# Allegro board pc065b_toplevel_06a.brd (continued)
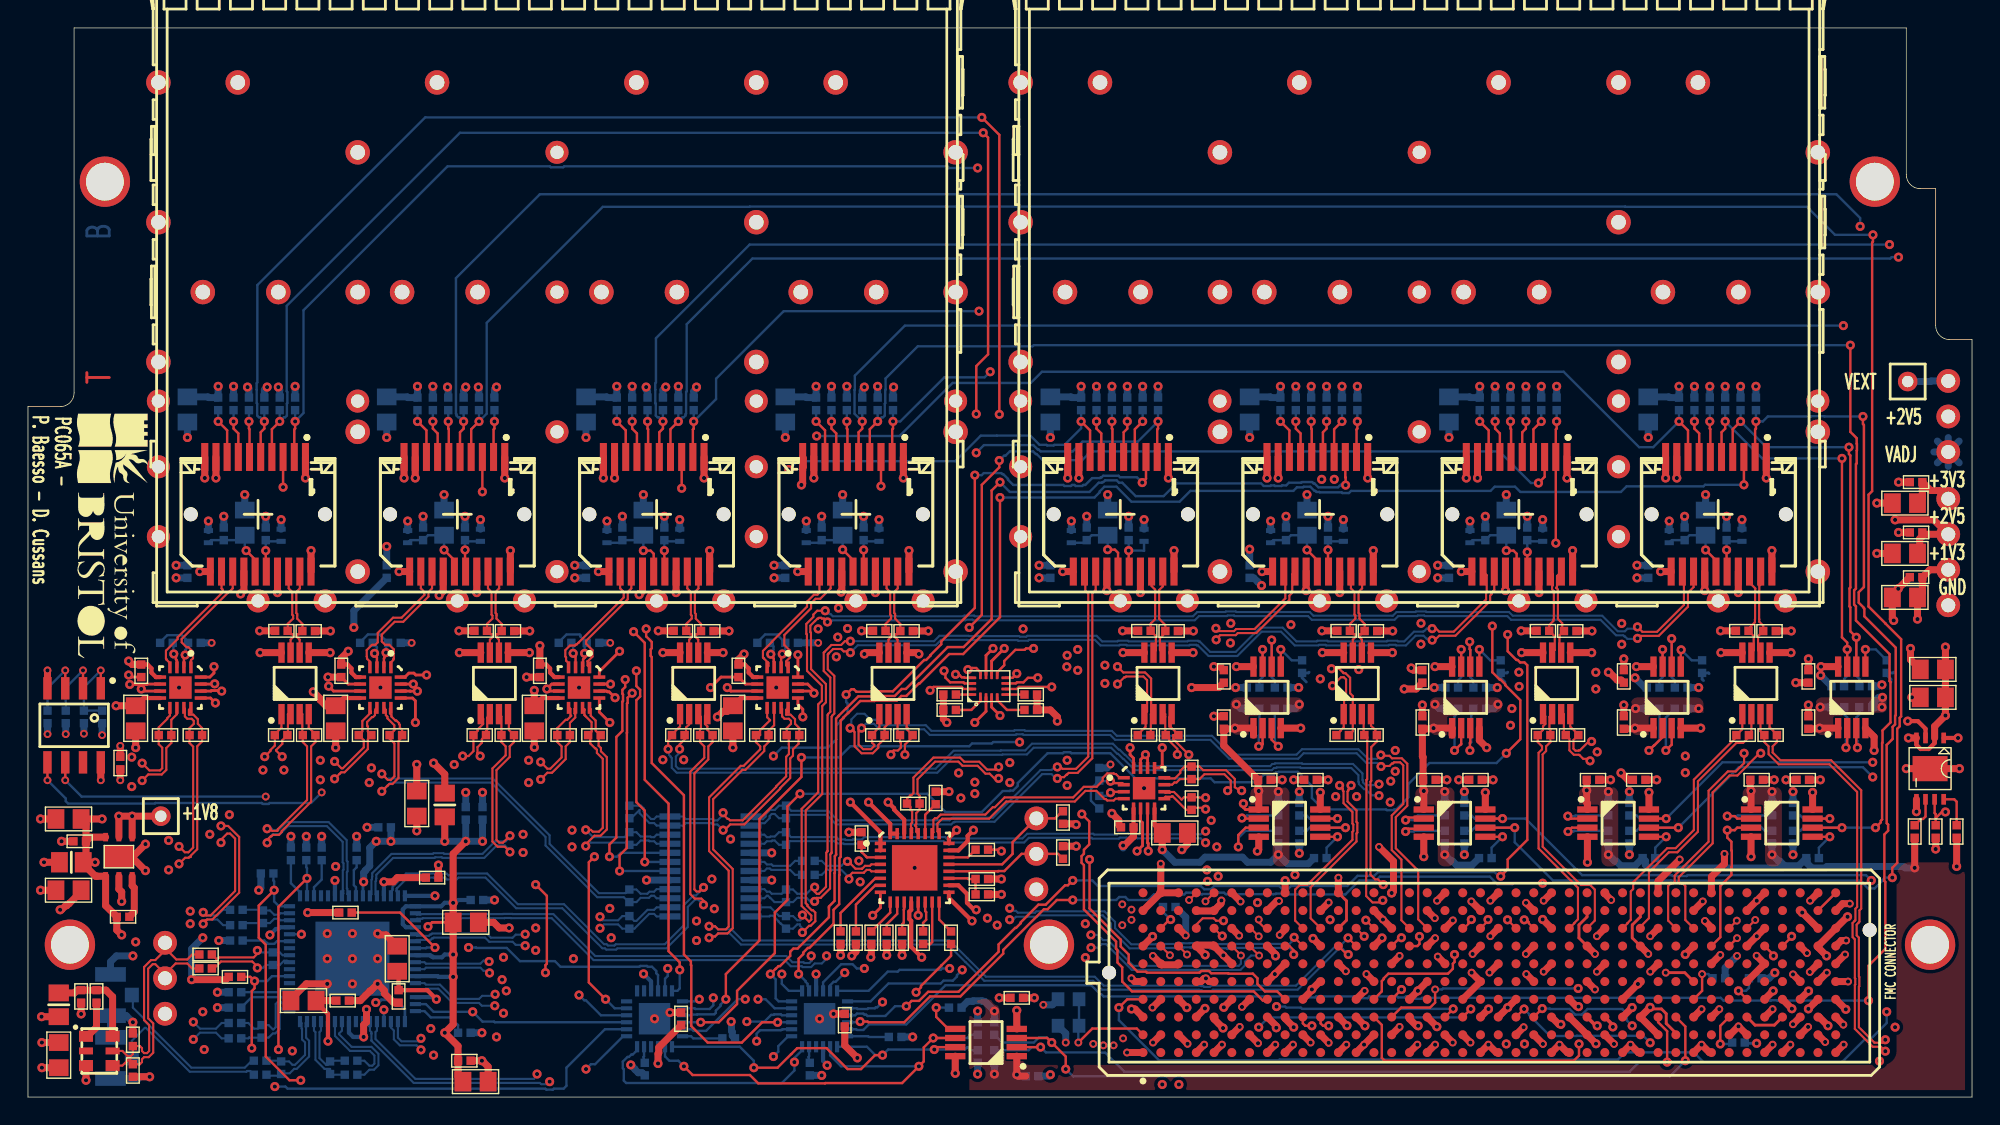
[diagram p0: board, top side]
## Routing (per net, layer and track width the routed paths; a pad name or vN(x,y) marks a point on that pad's centre or on a via; arc(x,y) is an arc through that point)
GND: length 2080.9
  TOP w0.2: v1(115.98,6.42) 116.09,6.31 116.8,6.31 117.14,5.97 117.14,5.27 117.83,4.58 117.83,4.46 ; J3.H12 94.28,12.66 94.28,14.04 J3.K12 ; v1(50,29.3) 50.25,29.05 IC7.7 ; v1(27.84,29.04) 27.34,29.04 27.33,29.05 IC5.14 ; IC4.6 8.52,29.55 8.49,29.52 v1(7.28,29.52) ; v1(8.1,29.2) 8.25,29.05 IC4.7 ; IC6.6 37.45,29.55 v1(37.1,29.2) 37.25,29.05 IC6.7 ; IC7.15 55.75,29.55 56.2,29.1 v1(56.2,28.9) 56.05,29.05 IC7.14 ; J3.J26 111.47,12.9 110.89,12.32 110.89,11.38 J3.G26 ; IC9.8 60.95,13.55 v1(60.4,13) ; v1(69.8,32.1) 68.9,31.2 IC21.10 ; J3.E32 118.46,8.9 v2(117.1,8.9) ; v1(7.2,30.2) 7.35,30.05 C102.1 ; v1(48.8,29.3) 49.55,30.05 C108.1 51.3,29.55 IC7.6 ; IC9.13 v1(63.65,13) ; IC4.14 13.09,29.05 13.13,29.09 13.57,29.09 13.61,29.05 v1(13.85,29.05) ; IC13.15 79.55,24.15 v1(79.9,24.5) 80.05,24.35 IC13.14 ; C104.1 22.9,29.55 IC5.6 ; IC4.15 13.33,29.55 ; J3.J29 115.28,12.9 114.7,12.32 114.7,11.38 J3.G29 ; IC5.7 21.85,29.05 v1(21.5,29.4) ; v1(80.1,17.6) 80.1,18.15 80.05,18.2 IC13.7 ; IC21.11 68.5,31.6 v1(69,32.1) ; v1(41.98,28.58) 41.55,29 41.42,29 41.37,29.05 IC6.14 ; IC13.6 79.55,19.77 79.69,19.63 79.69,17.99 v1(79.3,17.6) ; IC5.15 v1(27.55,29.55) ; 86.3,9.54 86.08,9.54 ; IC6.15 v1(41.65,29.55)
  TOP w0.3: U11.3 135.68,26.35 135.13,26.9 v1(134.4,26.9) ; v1(67.5,12.6) 65.85,14.25 IC9.17 ; IC9.30 62.65,19.85 61.93,20.57 61.93,20.67 v1(61.5,21.1) ; IC9.23 66.53,17.65 67.19,18.31 67.19,18.69 v1(67.6,19.1)
  TOP w0.5: v1(114.69,6.41) J3.C28 ; 110.2,7 110.7,6.5 110.83,6.5 v1(110.86,6.47) ; 93.69,3.19 v2(94.26,3.75) ; J36.20 v1(81.94,39.1) ; 103.78,26.4 103.78,25.52 v1(104.3,25) ; 7.5,17.2 v1(8.4,18.1) ; 7.5,17.2 7.5,17.1 v1(8.4,16.2) ; 7.5,17.2 U2.7 ; 84.81,5.73 84.81,5.58 v1(85.45,4.94) ; 88.61,8.27 v2(89.15,8.8) J3.F9 ; v2(96.6,17.9) 97.64,16.87 97.64,14.73 v1(97.5,14.6) ; 86.08,9.54 v2(85.47,10.14) 84.74,10.87 83.6,10.87 83.53,10.8 v1(84.17,10.17) ; 122.91,4.46 v2(122.3,5.06) 121.69,4.46 121.64,4.46 ; v2(130.26,13.84) 129.75,13.84 J3.J40 ; J3.H3 v2(82.78,11.56) ; J28.10 v1(102.84,44.3) ; J3.C38 v2(126.2,5.21) ; J3.G23 v2(107.1,10.24) ; 124.17,12.08 v2(123.61,11.51) J3.G35 ; C17.1 32.9,2.18 32.48,2.6 v1(32.45,2.6) C15.1 ; J3.C25 v1(112.11,3.82) ; 116.56,4.46 J3.C29 v1(115.98,6.42) ; C111.1 82.9,18.1 v1(82.5,17.7) ; J7.9 v1(13.44,44.3) ; 34.33,31.8 v1(35.85,31.8) ; 94.97,3.19 v2(95.53,3.75) J3.B14 ; J3.C33 v2(120.93,6.29) ; C96.1 v1(127.3,31.35) ; J20.17 v1(60.59,36.1) ; J36.10 v1(74.34,44.3) ; v2(130,11.2) 129.65,11.2 J3.G40 ; J3.B22 v2(106.94,5) ; J36.1 v1(81.54,44.3) ; J12.1 v1(34.09,44.3) ; C36.1 v1(133.72,36.38) ; 83.53,8.27 83.87,8.27 84.01,8.4 84.01,8.4 84.1,8.49 v2(84.23,8.49) 84.45,8.27 84.81,8.27 ; C84.1 v1(104.75,22.7) ; J16.9 v1(41.94,44.3) ; v1(21.4,8.1) 19.9,8.1 18.8,7 C19.1 ; 92.42,10.8 v1(91.88,11.35) ; IC14.4 v1(99.8,17.2) ; U6.5 63.6,31.8 v1(63.7,31.7) ; 124.17,14.62 v2(123.61,14.05) J3.J35 ; R85.1 v1(62.5,10.15) ; J3.C21 v1(105.8,6.4) 106.39,7 ; v2(121.3,17.4) 121.3,16.7 120.36,15.77 120.36,14.62 ; IC4.17 v1(10.8,29.3) ; v2(78.9,8.5) 79.14,8.27 79.72,8.27 ; v1(89.2,10.1) 89.2,10.22 88.61,10.8 ; v1(134.3,23.5) U11.9 v1(138.1,23.5) ; v2(85.33,14.07) 85.3,14.04 85.3,13.84 84.78,13.32 83.56,13.32 83.53,13.35 ; J3.G26 v2(112.04,10.24) ; J20.14 58.19,36.18 v1(58.14,36.13) ; v1(134.6,32.1) 134.6,31.3 C100.1 ; v1(43.7,35.95) 43.94,36.19 J16.14 ; C82.1 v1(92.95,22.7) ; C109.1 v1(50.4,25) ; J3.E35 124.17,9.54 v2(123.6,10.11) ; J16.10 v1(41.14,44.3) ; J3.B11 v2(93,3.88) ; v1(99.4,5.1) 99.28,5.1 98.78,5.6 98.78,5.73 ; 81,14.62 v2(81,16.7) ; 81,14.62 J3.K3 ; 81,14.62 79.72,13.35 ; 126.72,4.46 v2(127.28,5.02) ; J3.J23 v2(107.11,13.9) ; C6.1 v1(1,2.1) ; J36.14 v1(77.14,36.24) ; J3.C32 v2(119.66,6.29) ; J3.G32 v1(118.5,10.21) ; J3.K18 v2(100.75,14.05) ; 86.08,14.62 v2(86.7,13.99) ; J3.F12 v2(94.23,9) ; C91.1 v1(99.7,28.05) ; U7.5 v1(126.05,31.8) ; IC15.4 v1(111.5,16.8) ; 93.69,5.73 v1(94.31,5.11) ; J16.17 v1(46.34,36.1) ; C88.1 v1(128.15,22.7) ; C7.1 v1(29.35,16.6) ; J24.9 v1(117.89,44.3) ; J3.E40 v2(130.13,8.27) ; v2(127.2,10.3) 126.72,10.79 J3.G38 ; 108.94,9.54 v2(108.37,8.97) ; C105.1 v1(22,25) ; J3.A37 v2(126.01,3.75) ; 103.86,3.19 v2(104.42,3.75) 104.99,3.19 J3.A21 ; 13.33,29.55 v1(13.35,29.57) ; v2(89.5,11.6) 89.89,11.98 J3.H9 ; v1(25,11.7) 25.1,11.6 25.6,11.6 C16.1 ; 110.28,31.8 v1(111.8,31.8) ; J12.10 v1(26.89,44.3) ; J3.E26 v2(112.04,7.7) ; J3.D19 103.86,8.27 v2(103.22,8.9) ; J12.17 v1(32.09,36.1) ; R4.1 v1(7.5,5.35) ; C37.1 133.3,34.2 v1(133.4,34.1) ; J3.C40 v2(129.8,5.18) ; v1(78.9,6.3) 79.15,6.3 79.72,5.73 ; C18.1 26.15,6.75 25.48,7.42 25.48,7.62 v1(25,8.1) 24.5,7.6 24.46,7.6 23.76,6.9 C20.1 ; J24.14 v1(119.89,36.24) ; C38.1 v1(133.75,40.4) ; J3.C36 v2(124.74,6.29) ; 112.75,4.46 v2(113.4,3.8) ; C39.1 v1(132.2,38.9) ; C4.1 3.8,14.7 2.93,13.83 2.91,13.83 2.77,13.69 2.69,13.69 2.4,13.4 v1(2.3,13.4) ; 96.23,8.27 v2(95.7,8.8) ; 83.53,5.73 v1(84.16,6.35) ; 88.61,3.19 v2(89.18,3.75) ; C80.1 v1(71.95,7.1) ; C10.1 v1(3.8,5.95) ; J12.20 v1(34.49,39.1) ; v1(34.4,12.1) 33.7,12.1 33.3,12.5 C12.1 ; J3.B18 v2(101.87,3.9) ; IC12.4 88,17.7 v1(87.9,17.6) ; J3.J32 v2(119.75,14) ; J32.14 v1(91.39,36.24) ; 100.05,10.8 v2(100.61,11.37) ; C5.1 v1(2.4,18.3) ; J3.A17 v2(100.61,3.75) ; J3.B19 v2(103.14,3.9) ; 116.56,14.62 116.56,15.46 v2(118.1,17) ; v1(98.9,30.7) 99.05,30.55 C92.1 ; C106.1 v1(35.65,30.05) ; C98.1 v1(45.9,6.05) ; J7.14 15.44,36.24 v1(15.2,36) ; 108.94,12.08 v1(108.3,12.71) ; J3.K9 v1(89.89,15.48) ; 112.75,12.08 v2(112.18,11.51) ; 125.44,7 v1(126.12,6.32) ; J32.17 v1(93.79,36.1) ; J28.17 v1(108.04,36.1) ; v1(65.86,21.86) 65.85,21.85 R90.2 ; J20.9 v1(56.19,44.3) ; 116.56,12.08 v2(115.99,11.51) ; J36.17 v1(79.54,36.1) ; IC11.4 v1(70.7,6.2) ; v1(132,24.8) 132,25.77 IC20.4 ; C83.1 v1(101.45,22.7) ; J20.1 v1(62.59,44.3) ; J7.20 v1(20.24,39.1) ; 108.94,14.62 v2(108.37,14.05) ; v1(84.79,30.8) 85.25,30.8 C90.1 ; J3.F15 v2(98.07,10.1) ; J36.11 v1(73.99,37.6) ; J28.9 v1(103.64,44.3) ; J32.1 v1(95.79,44.3) ; 105.12,12.08 v2(104.56,11.51) ; C57.2 v1(58.7,18.95) ; v1(60.26,10.01) 60.3,10.05 R88.1 ; J3.F21 v2(104.5,8.91) ; J3.D7 v2(86.8,6.45) ; 86.08,12.08 v2(86.6,11.55) ; 127.98,12.08 v1(126.86,13.2) ; C86.1 v1(116.45,22.7) ; J24.1 v1(124.29,44.3) ; C104.1 v1(21.45,30.05) ; J3.B15 v2(98.07,5.02) ; U3.5 v1(21.6,31.8) ; 88.61,5.73 89.26,5.08 v1(89.26,4.96) ; v2(119.9,12.6) 120.36,12.13 120.36,12.08 ; 94.97,5.73 v1(95.59,5.1) ; v1(65.7,26.8) 65.45,27.05 R177.1 R179.1 ; v1(36.21,25.03) 36.2,25.03 C107.1 ; J24.10 v1(117.09,44.3) ; J12.9 v1(27.69,44.3) ; J32.11 v1(88.24,37.6) ; R87.1 59.2,10.4 v1(58.9,10.1) ; J20.20 v1(62.99,39.1) ; C89.1 v1(84.79,27.25) ; 86.08,7 v1(85.5,6.42) ; C87.1 v1(124.85,22.7) ; R83.1 v1(69.6,14.5) ; 127.98,9.54 v2(127.4,8.95) ; J16.1 v1(48.34,44.3) ; IC7.17 v1(53.5,29.3) ; J3.A33 120.23,3.19 v2(119.66,3.75) J3.A32 ; 100.05,13.35 v2(100.59,12.8) ; 79.72,10.8 v1(80.41,11.49) ; 89.89,5.73 89.89,5.62 v1(90.5,5) ; J3.D13 v2(95.57,7.6) ; C101.1 v1(137.9,16.5) ; 81,4.46 v2(80.44,3.9) ; C97.1 v1(57.6,5.95) ; J3.E38 v2(126.2,8.78) ; 103.86,5.73 v1(104.43,6.3) ; J3.D3 v1(82.86,6.4) ; QZ1.3 v1(4.15,1.2) ; v2(80.43,10.1) 81.07,9.46 82.19,9.46 J3.F3 ; J3.A40 v2(129.82,3.75) ; J32.10 v1(88.59,44.3) ; 81,7 v2(80.4,6.4) ; R5.1 v1(8.7,1.45) ; J3.D10 91.8,7.64 v1(91.8,7.7) 92.36,8.27 92.42,8.27 ; J3.H18 v2(101.88,12.64) ; C8.1 v1(0.9,19.9) ; 120.36,9.54 v2(121,10.17) ; J3.B7 v2(87.95,3.85) ; J7.17 v1(17.84,36.1) ; J12.11 v1(26.54,37.6) ; J3.E17 v1(99.38,7.6) 98.78,7 ; v1(105.64,36.24) J28.14 ; v1(109.6,5.2) 109.46,5.2 J3.C24 ; 127.98,4.46 v2(128.5,3.94) ; J24.17 v1(122.29,36.1) ; 112.75,14.62 112.75,14.55 v2(113.2,14.1) ; v1(6.7,14) 6.7,14.68 6.5,14.88 U2.2 ; C112.2 v2(6.6,25.13) ; J3.A36 v2(124.74,3.75) ; J20.11 v1(55.04,37.6) ; 79.72,3.19 v2(78.58,3.19) ; v2(89.45,14.03) 89.3,14.03 88.61,13.35 ; J28.20 v1(110.44,39.1) ; 96.23,10.8 v1(96.81,11.38) ; J3.A29 115.15,3.19 v2(114.58,3.75) J3.A28 ; U9.5 v1(97.55,31.8) ; J20.10 55.39,45.75 55.44,45.7 55.44,45.1 55.39,45.05 55.39,43.89 v1(55.3,43.8) ; J32.20 v1(96.19,39.1) ; J3.A25 110.07,3.19 v2(109.5,3.75) J3.A24 ; 100.05,5.73 v1(100.73,5.04) ; U5.5 v1(49.7,31.8) ; J24.11 v1(116.74,37.6) ; J16.20 v1(48.74,39.1) ; v1(77.5,20.3) 78,19.8 78,19.45 C110.1 ; 127.98,7 v1(127.3,6.31) ; C2.1 v1(132.2,42.5) ; R86.1 v1(58.1,10.15) ; J36.9 v1(75.14,44.3) ; 98.78,3.19 v2(99.34,3.75) ; 84.81,3.19 v2(85.37,3.75) ; J24.20 v1(124.69,39.1) ; J28.1 v1(110.04,44.3) ; J28.11 v1(102.49,37.6) ; 103.86,13.35 v2(103.2,14) ; J3.H15 v2(96.88,12.7) 96.23,13.35 ; C99.1 v1(134.7,28.6) ; J3.K12 v2(93.69,15.7) ; J32.9 v1(89.39,44.3) ; 81.78,31.8 v1(83.3,31.8) ; J3.E23 v2(107.13,8.8) ; J12.14 29.69,36.19 v1(29.4,35.9) ; C85.1 v1(113.15,22.7) ; 92.42,13.35 v2(93,13.92) ; C103.1 v1(7.7,25) ; J7.1 v1(19.84,44.3) ; 112.75,9.54 v2(112.18,8.97) ; J3.B23 v2(108.32,3.8) ; J3.F18 v2(100.8,10.05) ; 114.02,7 v1(115.11,8.09) ; 83.53,3.19 v2(84.1,3.75) ; J3.K21 v2(104.56,14.05) ; IC16.4 v1(123.2,17.2) ; 89.89,3.19 v2(90.45,3.75) ; C81.1 v1(89.68,22.7) ; 86.08,4.46 v2(86.64,5.02) ; J3.G29 v2(115.85,10.24) ; J3.B10 v2(91.71,3.9) ; J16.11 v1(40.79,37.6) ; J7.11 v1(12.29,37.6) ; C93.1 v1(114.1,28.05) ; 116.56,9.54 v2(115.99,8.97) ; J7.10 v1(12.64,44.3) ; C3.1 v1(27.8,19.05) ; 89.58,26.4 v1(91,26.4) ; C1.1 v1(133.75,44) ; 103.86,10.8 v2(103.29,10.24) ; C94.1 v1(114.1,31.35) ; C95.1 v1(127.3,28.05) ; 1.4,29.25 v2(1.4,30.53) ; 127.98,14.62 v2(127.42,14.05) ; IC19.4 v1(119.6,26.4) ; J3.B3 v2(82.91,3.81)
  L2_GND w0.5: 82.9,34.5 SFP2.37 ; SFP2.37 83.66,36.26 ; SFP2.37 81.9,35.5 ; SFP2.37 83.66,34.74 ; SFP2.37 82.14,36.26 ; SFP2.37 83.9,35.5 ; SFP2.37 82.9,36.5 ; SFP2.37 82.14,34.74 ; 65.53,58.4 SFP1.22 ; SFP1.22 67.12,56.8 ; SFP1.22 66.33,56.55 ; SFP1.22 67.12,58.4 ; SFP1.22 65.27,57.6 ; SFP1.22 66.33,58.65 ; SFP1.22 67.38,57.6 ; SFP1.22 65.53,56.8 ; SFP2.40 100.23,38.36 ; SFP2.40 98.72,38.36 ; SFP2.40 99.47,36.6 ; SFP2.40 99.47,38.6 ; SFP2.40 98.47,37.6 ; SFP2.40 98.72,36.84 ; SFP1.39 31.46,34.74 ; SFP1.39 29.94,34.74 ; SFP1.39 30.7,36.5 ; SFP1.39 29.7,35.5 ; SFP1.39 31.7,35.5 ; SFP1.39 29.94,36.26 ; SFP1.39 30.7,34.5 ; SFP1.39 31.46,36.26 ; 37.06,58.36 SFP1.17 ; SFP1.17 36.82,57.6 ; SFP1.17 38.83,57.6 ; SFP1.17 38.59,56.84 ; SFP1.17 37.83,58.6 ; SFP1.17 38.59,58.36 ; SFP1.17 37.83,56.6 ; SFP1.17 37.06,56.84 ; 9.32,45.1 10.09,44.34 ; 9.32,45.1 8.57,45.86 ; 9.32,45.1 8.57,44.34 ; 9.32,45.1 8.32,45.1 ; 9.32,45.1 10.33,45.1 ; 9.32,45.1 9.32,44.1 ; 9.32,45.1 10.09,45.86 ; 9.32,45.1 9.32,46.1 ; SFP2.6 120.45,72.6 ; SFP2.6 119.4,73.65 ; SFP2.6 120.2,73.4 ; SFP2.6 119.4,71.55 ; SFP2.6 118.6,71.8 ; SFP2.6 120.2,71.8 ; SFP2.6 118.6,73.4 ; SFP2.6 118.35,72.6 ; 43.5,71.55 SFP1.4 ; SFP1.4 43.5,73.65 ; SFP1.4 42.45,72.6 ; SFP1.4 44.3,73.4 ; SFP1.4 42.7,71.8 ; SFP1.4 44.3,71.8 ; SFP1.4 42.7,73.4 ; SFP1.4 44.55,72.6 ; SFP1.5 52.87,73.4 ; SFP1.5 51.28,71.8 ; SFP1.5 52.08,73.65 ; SFP1.5 53.13,72.6 ; SFP1.5 52.08,71.55 ; SFP1.5 51.02,72.6 ; SFP1.5 51.28,73.4 ; SFP1.5 52.87,71.8 ; SFP2.9 129.03,67.6 ; SFP2.9 127.18,68.4 ; SFP2.9 128.77,66.8 ; SFP2.9 128.77,68.4 ; SFP2.9 127.18,66.8 ; SFP2.9 126.92,67.6 ; SFP2.9 127.97,66.55 ; SFP2.9 127.97,68.65 ; 101.6,57.6 SFP2.18 ; SFP2.18 103.45,58.4 ; SFP2.18 101.85,58.4 ; SFP2.18 102.65,58.65 ; SFP2.18 102.65,56.55 ; SFP2.18 103.45,56.8 ; SFP2.18 103.7,57.6 ; SFP2.18 101.85,56.8 ; SFP1.18 41.8,58.4 ; SFP1.18 41.8,56.8 ; SFP1.18 41,56.55 ; SFP1.18 39.95,57.6 ; SFP1.18 40.2,56.8 ; SFP1.18 42.05,57.6 ; SFP1.18 41,58.65 ; SFP1.18 40.2,58.4 ; 73.1,57.6 SFP2.12 ; SFP2.12 73.35,56.8 ; SFP2.12 75.2,57.6 ; SFP2.12 74.15,58.65 ; SFP2.12 73.35,58.4 ; SFP2.12 74.15,56.55 ; SFP2.12 74.95,56.8 ; SFP2.12 74.95,58.4 ; SFP1.7 23.57,68.65 ; SFP1.7 24.63,67.6 ; SFP1.7 22.78,66.8 ; SFP1.7 24.37,66.8 ; SFP1.7 23.57,66.55 ; SFP1.7 22.52,67.6 ; SFP1.7 22.78,68.4 ; SFP1.7 24.37,68.4 ; SFP2.14 86.28,57.6 ; SFP2.14 84.43,56.8 ; SFP2.14 85.22,58.65 ; SFP2.14 84.43,58.4 ; SFP2.14 84.17,57.6 ; SFP2.14 86.02,58.4 ; SFP2.14 86.02,56.8 ; SFP2.14 85.22,56.55 ; 127.97,36.55 SFP2.46 ; SFP2.46 128.77,38.4 ; SFP2.46 128.77,36.8 ; SFP2.46 127.18,38.4 ; SFP2.46 127.97,38.65 ; SFP2.46 129.03,37.6 ; SFP2.46 126.92,37.6 ; SFP2.46 127.18,36.8 ; SFP2.17 100.23,56.84 ; SFP2.17 100.48,57.6 ; SFP2.17 100.23,58.36 ; SFP2.17 98.72,58.36 ; SFP2.17 98.47,57.6 ; SFP2.17 99.47,56.6 ; SFP2.17 98.72,56.84 ; SFP2.17 99.47,58.6 ; SFP2.21 122.3,58.65 ; SFP2.21 121.5,58.4 ; SFP2.21 121.25,57.6 ; SFP2.21 123.1,58.4 ; SFP2.21 123.35,57.6 ; SFP2.21 121.5,56.8 ; SFP2.21 122.3,56.55 ; SFP2.21 123.1,56.8 ; 78.1,34.5 SFP2.36 ; SFP2.36 78.1,36.5 ; SFP2.36 77.34,36.26 ; SFP2.36 79.1,35.5 ; SFP2.36 78.86,36.26 ; SFP2.36 77.34,34.74 ; SFP2.36 77.1,35.5 ; SFP2.36 78.86,34.74 ; 127.22,50.56 SFP2.28 ; SFP2.28 127.22,49.04 ; SFP2.28 126.97,49.8 ; SFP2.28 128.98,49.8 ; SFP2.28 128.74,50.56 ; SFP2.28 128.74,49.04 ; SFP2.28 127.97,50.8 ; SFP2.28 127.97,48.8 ; SFP2.43 112.4,35.5 ; SFP2.43 110.4,35.5 ; SFP2.43 111.4,36.5 ; SFP2.43 112.16,36.26 ; SFP2.43 112.16,34.74 ; SFP2.43 110.64,36.26 ; SFP2.43 110.64,34.74 ; SFP2.43 111.4,34.5 ; 120.09,36.26 SFP2.44 ; SFP2.44 121.61,36.26 ; SFP2.44 121.85,35.5 ; SFP2.44 120.85,34.5 ; SFP2.44 120.09,34.74 ; SFP2.44 119.85,35.5 ; SFP2.44 120.85,36.5 ; SFP2.44 121.61,34.74 ; SFP2.29 71.98,45.1 ; SFP2.29 70.22,44.34 ; SFP2.29 70.97,44.1 ; SFP2.29 70.22,45.86 ; SFP2.29 71.73,44.34 ; SFP2.29 70.97,46.1 ; SFP2.29 71.73,45.86 ; SFP2.24 71.77,51.8 ; SFP2.24 70.97,53.65 ; SFP2.24 70.18,51.8 ; SFP2.24 69.92,52.6 ; SFP2.24 70.97,51.55 ; SFP2.24 71.77,53.4 ; SFP2.24 72.03,52.6 ; SFP2.24 70.18,53.4 ; SFP1.32 52.08,46.1 ; SFP1.32 51.07,45.1 ; SFP1.32 53.08,45.1 ; SFP1.32 51.31,44.34 ; SFP1.32 52.84,45.86 ; SFP1.32 52.84,44.34 ; SFP1.32 52.08,44.1 ; SFP1.32 51.31,45.86 ; 65.53,38.4 SFP1.46 ; SFP1.46 66.33,38.65 ; SFP1.46 65.27,37.6 ; SFP1.46 66.33,36.55 ; SFP1.46 67.38,37.6 ; SFP1.46 67.12,38.4 ; SFP1.46 65.53,36.8 ; SFP1.46 67.12,36.8 ; SFP1.33 67.12,48.4 ; SFP1.33 67.12,46.8 ; SFP1.33 66.33,46.55 ; SFP1.33 65.53,48.4 ; SFP1.33 65.53,46.8 ; SFP1.33 67.38,47.6 ; SFP1.33 66.33,48.65 ; SFP1.33 65.27,47.6 ; 34.5,35.5 SFP1.41 ; SFP1.41 35.5,36.5 ; SFP1.41 34.74,36.26 ; SFP1.41 36.26,36.26 ; SFP1.41 35.5,34.5 ; SFP1.41 36.5,35.5 ; SFP1.41 36.26,34.74 ; SFP1.41 34.74,34.74 ; SFP1.13 18.7,56.8 ; SFP1.13 17.9,58.65 ; SFP1.13 18.95,57.6 ; SFP1.13 17.1,56.8 ; SFP1.13 17.9,56.55 ; SFP1.13 17.1,58.4 ; SFP1.13 18.7,58.4 ; SFP1.13 16.85,57.6 ; 127.18,46.8 SFP2.33 ; SFP2.33 128.77,46.8 ; SFP2.33 128.77,48.4 ; SFP2.33 127.97,48.65 ; SFP2.33 127.97,46.55 ; SFP2.33 129.03,47.6 ; SFP2.33 126.92,47.6 ; SFP2.33 127.18,48.4 ; 44.19,34.74 SFP1.42 ; SFP1.42 45.71,36.26 ; SFP1.42 45.95,35.5 ; SFP1.42 44.95,34.5 ; SFP1.42 44.19,36.26 ; SFP1.42 43.95,35.5 ; SFP1.42 45.71,34.74 ; SFP1.42 44.95,36.5 ; 9.32,52.6 10.12,51.8 ; 9.32,52.6 8.27,52.6 ; 9.32,52.6 8.53,51.8 ; 9.32,52.6 9.32,53.65 ; 9.32,52.6 8.53,53.4 ; 9.32,52.6 9.32,51.55 ; 9.32,52.6 10.12,53.4 ; 9.32,52.6 10.38,52.6 ; 104.35,71.8 SFP2.4 ; SFP2.4 105.15,71.55 ; SFP2.4 104.35,73.4 ; SFP2.4 106.2,72.6 ; SFP2.4 104.1,72.6 ; SFP2.4 105.95,73.4 ; SFP2.4 105.15,73.65 ; SFP2.4 105.95,71.8 ; SFP2.32 113.72,46.1 ; SFP2.32 112.72,45.1 ; SFP2.32 112.97,45.86 ; SFP2.32 112.97,44.34 ; SFP2.32 114.48,44.34 ; SFP2.32 114.73,45.1 ; SFP2.32 113.72,44.1 ; SFP2.32 114.48,45.86 ; 8.57,49.04 9.32,49.8 ; 9.32,49.8 10.09,50.56 ; 9.32,49.8 10.33,49.8 ; 9.32,49.8 8.32,49.8 ; 9.32,49.8 8.57,50.56 ; 9.32,49.8 9.32,48.8 ; 9.32,49.8 9.32,50.8 ; 9.32,49.8 10.09,49.04 ; SFP2.3 90.9,73.65 ; SFP2.3 90.9,71.55 ; SFP2.3 91.95,72.6 ; SFP2.3 91.7,71.8 ; SFP2.3 89.85,72.6 ; SFP2.3 91.7,73.4 ; SFP2.3 90.1,71.8 ; SFP2.3 90.1,73.4 ; SFP2.19 109.1,57.6 ; SFP2.19 108.05,58.65 ; SFP2.19 107.25,56.8 ; SFP2.19 108.85,56.8 ; SFP2.19 107.25,58.4 ; SFP2.19 108.05,56.55 ; SFP2.19 107,57.6 ; SFP2.19 108.85,58.4 ; SFP2.34 71.73,40.86 ; SFP2.34 71.98,40.1 ; SFP2.34 70.22,39.34 ; SFP2.34 70.97,41.1 ; SFP2.34 70.97,39.1 ; SFP2.34 71.73,39.34 ; SFP2.34 69.97,40.1 ; SFP2.34 70.22,40.86 ; SFP1.8 38.59,66.84 ; SFP1.8 36.82,67.6 ; SFP1.8 38.59,68.36 ; SFP1.8 37.83,68.6 ; SFP1.8 37.83,66.6 ; SFP1.8 37.06,66.84 ; SFP1.8 38.83,67.6 ; SFP1.8 37.06,68.36 ; 59.6,57.6 SFP1.21 ; SFP1.21 60.65,56.55 ; SFP1.21 60.65,58.65 ; SFP1.21 61.7,57.6 ; SFP1.21 61.45,58.4 ; SFP1.21 59.85,58.4 ; SFP1.21 61.45,56.8 ; SFP1.21 59.85,56.8 ; SFP1.26 52.84,49.04 ; SFP1.26 51.31,50.56 ; SFP1.26 53.08,49.8 ; SFP1.26 51.31,49.04 ; SFP1.26 51.07,49.8 ; SFP1.26 52.08,48.8 ; SFP1.26 52.08,50.8 ; SFP1.26 52.84,50.56 ; SFP1.15 27.55,58.4 ; SFP1.15 26.75,58.65 ; SFP1.15 25.7,57.6 ; SFP1.15 25.95,56.8 ; SFP1.15 26.75,56.55 ; SFP1.15 27.55,56.8 ; SFP1.15 25.95,58.4 ; SFP1.15 27.8,57.6 ; 58.44,36.26 SFP1.44 ; SFP1.44 59.2,36.5 ; SFP1.44 60.2,35.5 ; SFP1.44 58.44,34.74 ; SFP1.44 59.96,36.26 ; SFP1.44 59.96,34.74 ; SFP1.44 59.2,34.5 ; SFP1.44 58.2,35.5 ; 8.32,40.1 9.32,40.1 ; 9.32,40.1 10.09,40.86 ; 9.32,40.1 8.57,39.34 ; 9.32,40.1 10.33,40.1 ; 9.32,40.1 9.32,39.1 ; 9.32,40.1 9.32,41.1 ; 9.32,40.1 8.57,40.86 ; 9.32,40.1 10.09,39.34 ; 75.85,73.4 SFP2.2 ; SFP2.2 77.7,72.6 ; SFP2.2 76.65,71.55 ; SFP2.2 77.45,73.4 ; SFP2.2 77.45,71.8 ; SFP2.2 75.6,72.6 ; SFP2.2 75.85,71.8 ; SFP2.2 76.65,73.65 ; SFP2.27 114.78,52.6 ; SFP2.27 114.52,53.4 ; SFP2.27 112.93,51.8 ; SFP2.27 112.93,53.4 ; SFP2.27 113.72,51.55 ; SFP2.27 114.52,51.8 ; SFP2.27 112.67,52.6 ; SFP2.27 113.72,53.65 ; SFP2.45 125.65,36.5 ; SFP2.45 125.65,34.5 ; SFP2.45 126.41,36.26 ; SFP2.45 126.41,34.74 ; SFP2.45 124.89,36.26 ; SFP2.45 124.65,35.5 ; SFP2.45 124.89,34.74 ; SFP2.45 126.65,35.5 ; 88.4,56.55 SFP2.15 ; SFP2.15 88.4,58.65 ; SFP2.15 87.6,58.4 ; SFP2.15 89.2,58.4 ; SFP2.15 87.6,56.8 ; SFP2.15 89.2,56.8 ; SFP2.15 87.35,57.6 ; SFP2.15 89.45,57.6 ; SFP2.30 86.28,47.6 ; SFP2.30 86.02,46.8 ; SFP2.30 84.43,46.8 ; SFP2.30 86.02,48.4 ; SFP2.30 84.43,48.4 ; SFP2.30 85.22,48.65 ; SFP2.30 85.22,46.55 ; SFP2.30 84.17,47.6 ; 51.02,52.6 SFP1.27 ; SFP1.27 51.28,51.8 ; SFP1.27 52.87,53.4 ; SFP1.27 53.13,52.6 ; SFP1.27 52.87,51.8 ; SFP1.27 51.28,53.4 ; SFP1.27 52.08,53.65 ; SFP1.27 52.08,51.55 ; 8.27,62.6 9.32,62.6 ; 9.32,62.6 10.38,62.6 ; 9.32,62.6 10.12,63.4 ; 9.32,62.6 10.12,61.8 ; 9.32,62.6 9.32,61.55 ; 9.32,62.6 8.53,61.8 ; 9.32,62.6 8.53,63.4 ; 9.32,62.6 9.32,63.65 ; 48.75,35.5 SFP1.43 ; SFP1.43 48.99,36.26 ; SFP1.43 50.75,35.5 ; SFP1.43 49.75,36.5 ; SFP1.43 48.99,34.74 ; SFP1.43 49.75,34.5 ; SFP1.43 50.51,34.74 ; SFP1.43 50.51,36.26 ; SFP1.3 30.3,72.6 ; SFP1.3 28.45,73.4 ; SFP1.3 29.25,73.65 ; SFP1.3 30.05,71.8 ; SFP1.3 28.2,72.6 ; SFP1.3 28.45,71.8 ; SFP1.3 30.05,73.4 ; SFP1.3 29.25,71.55 ; 9.32,72.6 10.12,73.4 ; 9.32,72.6 9.32,71.55 ; 9.32,72.6 8.27,72.6 ; 9.32,72.6 10.12,71.8 ; 9.32,72.6 8.53,73.4 ; 9.32,72.6 9.32,73.65 ; 9.32,72.6 8.53,71.8 ; 9.32,72.6 10.38,72.6 ; SFP1.6 58.55,73.4 ; SFP1.6 56.7,72.6 ; SFP1.6 58.8,72.6 ; SFP1.6 56.95,71.8 ; SFP1.6 57.75,71.55 ; SFP1.6 57.75,73.65 ; SFP1.6 56.95,73.4 ; SFP1.6 58.55,71.8 ; 112.97,40.86 SFP2.35 ; SFP2.35 114.73,40.1 ; SFP2.35 112.72,40.1 ; SFP2.35 114.48,40.86 ; SFP2.35 113.72,39.1 ; SFP2.35 113.72,41.1 ; SFP2.35 114.48,39.34 ; SFP2.35 112.97,39.34 ; SFP2.23 71.73,50.56 ; SFP2.23 69.97,49.8 ; SFP2.23 70.22,49.04 ; SFP2.23 71.98,49.8 ; SFP2.23 70.97,50.8 ; SFP2.23 71.73,49.04 ; SFP2.23 70.22,50.56 ; SFP2.23 70.97,48.8 ; 20.49,36.26 SFP1.37 ; SFP1.37 20.49,34.74 ; SFP1.37 22.01,34.74 ; SFP1.37 21.25,36.5 ; SFP1.37 20.25,35.5 ; SFP1.37 21.25,34.5 ; SFP1.37 22.01,36.26 ; SFP1.37 22.25,35.5 ; J40.1 138.08,34.41 ; J40.1 137.3,34.16 ; J40.1 138.08,35.97 ; J40.1 136.27,35.19 ; J40.1 136.52,35.97 ; J40.1 137.3,36.22 ; J40.1 136.52,34.41 ; 32.15,56.55 SFP1.16 ; SFP1.16 32.95,56.8 ; SFP1.16 31.35,58.4 ; SFP1.16 31.35,56.8 ; SFP1.16 32.15,58.65 ; SFP1.16 33.2,57.6 ; SFP1.16 32.95,58.4 ; SFP1.16 31.1,57.6 ; 9.02,5.18 J5.1 ; J5.1 10.83,5.96 ; J5.1 9.8,4.93 ; J5.1 10.58,6.74 ; J5.1 9.8,6.99 ; J5.1 9.02,6.74 ; J5.1 8.77,5.96 ; J5.1 10.58,5.18 ; SFP2.8 100.23,66.84 ; SFP2.8 100.48,67.6 ; SFP2.8 98.72,66.84 ; SFP2.8 99.47,66.6 ; SFP2.8 100.23,68.36 ; SFP2.8 98.72,68.36 ; SFP2.8 98.47,67.6 ; SFP2.8 99.47,68.6 ; SFP2.20 117.7,58.4 ; SFP2.20 116.1,58.4 ; SFP2.20 116.1,56.8 ; SFP2.20 116.9,56.55 ; SFP2.20 115.85,57.6 ; SFP2.20 116.9,58.65 ; SFP2.20 117.95,57.6 ; SFP2.20 117.7,56.8 ; 23.57,36.55 SFP1.38 ; SFP1.38 24.37,38.4 ; SFP1.38 24.63,37.6 ; SFP1.38 22.78,38.4 ; SFP1.38 24.37,36.8 ; SFP1.38 22.52,37.6 ; SFP1.38 23.57,38.65 ; SFP1.38 22.78,36.8 ; SFP2.7 86.28,67.6 ; SFP2.7 86.02,68.4 ; SFP2.7 84.43,68.4 ; SFP2.7 84.17,67.6 ; SFP2.7 86.02,66.8 ; SFP2.7 85.22,66.55 ; SFP2.7 85.22,68.65 ; SFP2.7 84.43,66.8 ; SFP2.31 100.23,48.36 ; SFP2.31 100.23,46.84 ; SFP2.31 100.48,47.6 ; SFP2.31 99.47,48.6 ; SFP2.31 98.72,46.84 ; SFP2.31 99.47,46.6 ; SFP2.31 98.47,47.6 ; SFP2.31 98.72,48.36 ; SFP2.10 70.97,63.65 ; SFP2.10 72.03,62.6 ; SFP2.10 70.18,61.8 ; SFP2.10 70.97,61.55 ; SFP2.10 71.77,61.8 ; SFP2.10 71.77,63.4 ; SFP2.10 70.18,63.4 ; SFP2.10 69.92,62.6 ; 45.6,58.4 SFP1.19 ; SFP1.19 47.45,57.6 ; SFP1.19 47.2,58.4 ; SFP1.19 47.2,56.8 ; SFP1.19 46.4,56.55 ; SFP1.19 46.4,58.65 ; SFP1.19 45.35,57.6 ; SFP1.19 45.6,56.8 ; 36.82,47.6 SFP1.31 ; SFP1.31 38.59,46.84 ; SFP1.31 37.06,48.36 ; SFP1.31 37.83,46.6 ; SFP1.31 37.06,46.84 ; SFP1.31 37.83,48.6 ; SFP1.31 38.59,48.36 ; SFP1.31 38.83,47.6 ; 54.45,56.8 SFP1.20 ; SFP1.20 55.25,58.65 ; SFP1.20 56.3,57.6 ; SFP1.20 54.2,57.6 ; SFP1.20 54.45,58.4 ; SFP1.20 56.05,56.8 ; SFP1.20 55.25,56.55 ; SFP1.20 56.05,58.4 ; 51.28,63.4 SFP1.11 ; SFP1.11 52.87,63.4 ; SFP1.11 51.02,62.6 ; SFP1.11 51.28,61.8 ; SFP1.11 52.08,61.55 ; SFP1.11 52.87,61.8 ; SFP1.11 52.08,63.65 ; SFP1.11 53.13,62.6 ; SFP2.39 92.35,36.5 ; SFP2.39 93.11,34.74 ; SFP2.39 93.35,35.5 ; SFP2.39 93.11,36.26 ; SFP2.39 91.59,34.74 ; SFP2.39 92.35,34.5 ; SFP2.39 91.59,36.26 ; SFP2.39 91.35,35.5 ; SFP2.26 113.72,50.8 ; SFP2.26 112.97,50.56 ; SFP2.26 112.72,49.8 ; SFP2.26 113.72,48.8 ; SFP2.26 114.48,49.04 ; SFP2.26 114.48,50.56 ; SFP2.26 112.97,49.04 ; SFP2.26 114.73,49.8 ; 11.7,58.4 SFP1.12 ; SFP1.12 13.3,56.8 ; SFP1.12 12.5,56.55 ; SFP1.12 13.55,57.6 ; SFP1.12 11.7,56.8 ; SFP1.12 11.45,57.6 ; SFP1.12 13.3,58.4 ; SFP1.12 12.5,58.65 ; SFP2.38 86.28,37.6 ; SFP2.38 84.17,37.6 ; SFP2.38 86.02,36.8 ; SFP2.38 86.02,38.4 ; SFP2.38 85.22,38.65 ; SFP2.38 84.43,36.8 ; SFP2.38 85.22,36.55 ; SFP2.38 84.43,38.4 ; SFP2.25 86.23,49.8 ; SFP2.25 85.22,48.8 ; SFP2.25 85.98,49.04 ; SFP2.25 84.22,49.8 ; SFP2.25 85.98,50.56 ; SFP2.25 85.22,50.8 ; SFP2.25 84.47,50.56 ; SFP2.25 84.47,49.04 ; SFP2.41 97.91,34.74 ; SFP2.41 96.39,34.74 ; SFP2.41 97.15,36.5 ; SFP2.41 96.15,35.5 ; SFP2.41 97.91,36.26 ; SFP2.41 96.39,36.26 ; SFP2.41 97.15,34.5 ; SFP2.41 98.15,35.5 ; SFP2.22 127.97,58.65 ; SFP2.22 126.92,57.6 ; SFP2.22 127.18,58.4 ; SFP2.22 129.03,57.6 ; SFP2.22 127.97,56.55 ; SFP2.22 128.77,56.8 ; SFP2.22 128.77,58.4 ; SFP2.22 127.18,56.8 ; 22.78,56.8 SFP1.14 ; SFP1.14 24.63,57.6 ; SFP1.14 22.52,57.6 ; SFP1.14 22.78,58.4 ; SFP1.14 23.57,56.55 ; SFP1.14 24.37,56.8 ; SFP1.14 24.37,58.4 ; SFP1.14 23.57,58.65 ; SFP2.1 70.97,73.65 ; SFP2.1 70.18,73.4 ; SFP2.1 72.03,72.6 ; SFP2.1 69.92,72.6 ; SFP2.1 70.97,71.55 ; SFP2.1 70.18,71.8 ; SFP2.1 71.77,71.8 ; SFP2.1 71.77,73.4 ; SFP2.42 107.36,36.26 ; SFP2.42 106.6,34.5 ; SFP2.42 105.6,35.5 ; SFP2.42 105.84,36.26 ; SFP2.42 106.6,36.5 ; SFP2.42 107.36,34.74 ; SFP2.42 105.84,34.74 ; SFP2.42 107.6,35.5 ; 65.32,49.8 SFP1.28 ; SFP1.28 67.33,49.8 ; SFP1.28 66.33,48.8 ; SFP1.28 67.08,49.04 ; SFP1.28 65.56,49.04 ; SFP1.28 67.08,50.56 ; SFP1.28 65.56,50.56 ; SFP1.28 66.33,50.8 ; SFP1.2 15.8,73.4 ; SFP1.2 15.8,71.8 ; SFP1.2 14.2,71.8 ; SFP1.2 15,71.55 ; SFP1.2 13.95,72.6 ; SFP1.2 14.2,73.4 ; SFP1.2 15,73.65 ; SFP1.2 16.05,72.6 ; 112.93,63.4 SFP2.11 ; SFP2.11 114.52,61.8 ; SFP2.11 113.72,61.55 ; SFP2.11 114.52,63.4 ; SFP2.11 112.67,62.6 ; SFP2.11 114.78,62.6 ; SFP2.11 113.72,63.65 ; SFP2.11 112.93,61.8 ; 64,34.5 SFP1.45 ; SFP1.45 64.76,34.74 ; SFP1.45 65,35.5 ; SFP1.45 64.76,36.26 ; SFP1.45 63.24,34.74 ; SFP1.45 64,36.5 ; SFP1.45 63,35.5 ; SFP1.45 63.24,36.26 ; SFP1.25 24.58,49.8 ; SFP1.25 23.57,50.8 ; SFP1.25 24.34,49.04 ; SFP1.25 24.34,50.56 ; SFP1.25 22.82,49.04 ; SFP1.25 22.82,50.56 ; SFP1.25 22.57,49.8 ; SFP1.25 23.57,48.8 ; SFP2.5 113.72,73.65 ; SFP2.5 114.78,72.6 ; SFP2.5 114.52,73.4 ; SFP2.5 113.72,71.55 ; SFP2.5 112.93,71.8 ; SFP2.5 112.67,72.6 ; SFP2.5 112.93,73.4 ; SFP2.5 114.52,71.8 ; 65.27,67.6 SFP1.9 ; SFP1.9 66.33,68.65 ; SFP1.9 66.33,66.55 ; SFP1.9 67.12,66.8 ; SFP1.9 67.38,67.6 ; SFP1.9 67.12,68.4 ; SFP1.9 65.53,68.4 ; SFP1.9 65.53,66.8 ; SFP1.35 52.08,41.1 ; SFP1.35 52.84,39.34 ; SFP1.35 52.84,40.86 ; SFP1.35 52.08,39.1 ; SFP1.35 51.31,39.34 ; SFP1.35 51.07,40.1 ; SFP1.35 53.08,40.1 ; SFP1.35 51.31,40.86 ; SFP2.16 94.85,57.6 ; SFP2.16 93.8,56.55 ; SFP2.16 94.6,58.4 ; SFP2.16 94.6,56.8 ; SFP2.16 92.75,57.6 ; SFP2.16 93.8,58.65 ; SFP2.16 93,58.4 ; SFP2.16 93,56.8 ; SFP1.36 17.45,35.5 ; SFP1.36 17.21,36.26 ; SFP1.36 15.45,35.5 ; SFP1.36 15.69,36.26 ; SFP1.36 16.45,36.5 ; SFP1.36 15.69,34.74 ; SFP1.36 16.45,34.5 ; SFP1.36 17.21,34.74 ; 71.07,14.86 J1.1 ; J1.1 72.1,15.89 ; J1.1 71.32,14.08 ; J1.1 73.13,14.86 ; J1.1 72.88,14.08 ; J1.1 71.32,15.64 ; J1.1 72.1,13.83 ; J1.1 72.88,15.64 ; 37.06,36.84 SFP1.40 ; SFP1.40 38.59,38.36 ; SFP1.40 37.06,38.36 ; SFP1.40 37.83,36.6 ; SFP1.40 37.83,38.6 ; SFP1.40 36.82,37.6 ; SFP2.13 79.55,58.65 ; SFP2.13 78.75,56.8 ; SFP2.13 79.55,56.55 ; SFP2.13 80.6,57.6 ; SFP2.13 78.5,57.6 ; SFP2.13 80.35,56.8 ; SFP2.13 80.35,58.4 ; SFP2.13 78.75,58.4 ; SFP1.30 23.57,48.65 ; SFP1.30 22.52,47.6 ; SFP1.30 23.57,46.55 ; SFP1.30 24.37,48.4 ; SFP1.30 22.78,46.8 ; SFP1.30 24.37,46.8 ; SFP1.30 22.78,48.4 ; SFP1.30 24.63,47.6